# Altium PCB ALCT_MEZ_SPARTAN6T.PcbDoc (part 8 of 12)
Units mil, origin at the board's own origin, x right, y up, seen from the top; angles counter-clockwise.
Board outline 4100 x 5351.19 mil, 12 copper layers (Top Layer, Mid-Layer 1, +3V3, Mid-Layer 2, +1V2, Mid-Layer 4, +1V8, Mid-Layer 5, GND1, Mid-Layer 7, GND2, Bottom Layer), stack 64.7 mil thick; 320 components, 598 nets, 2316 pads, 1572 vias.
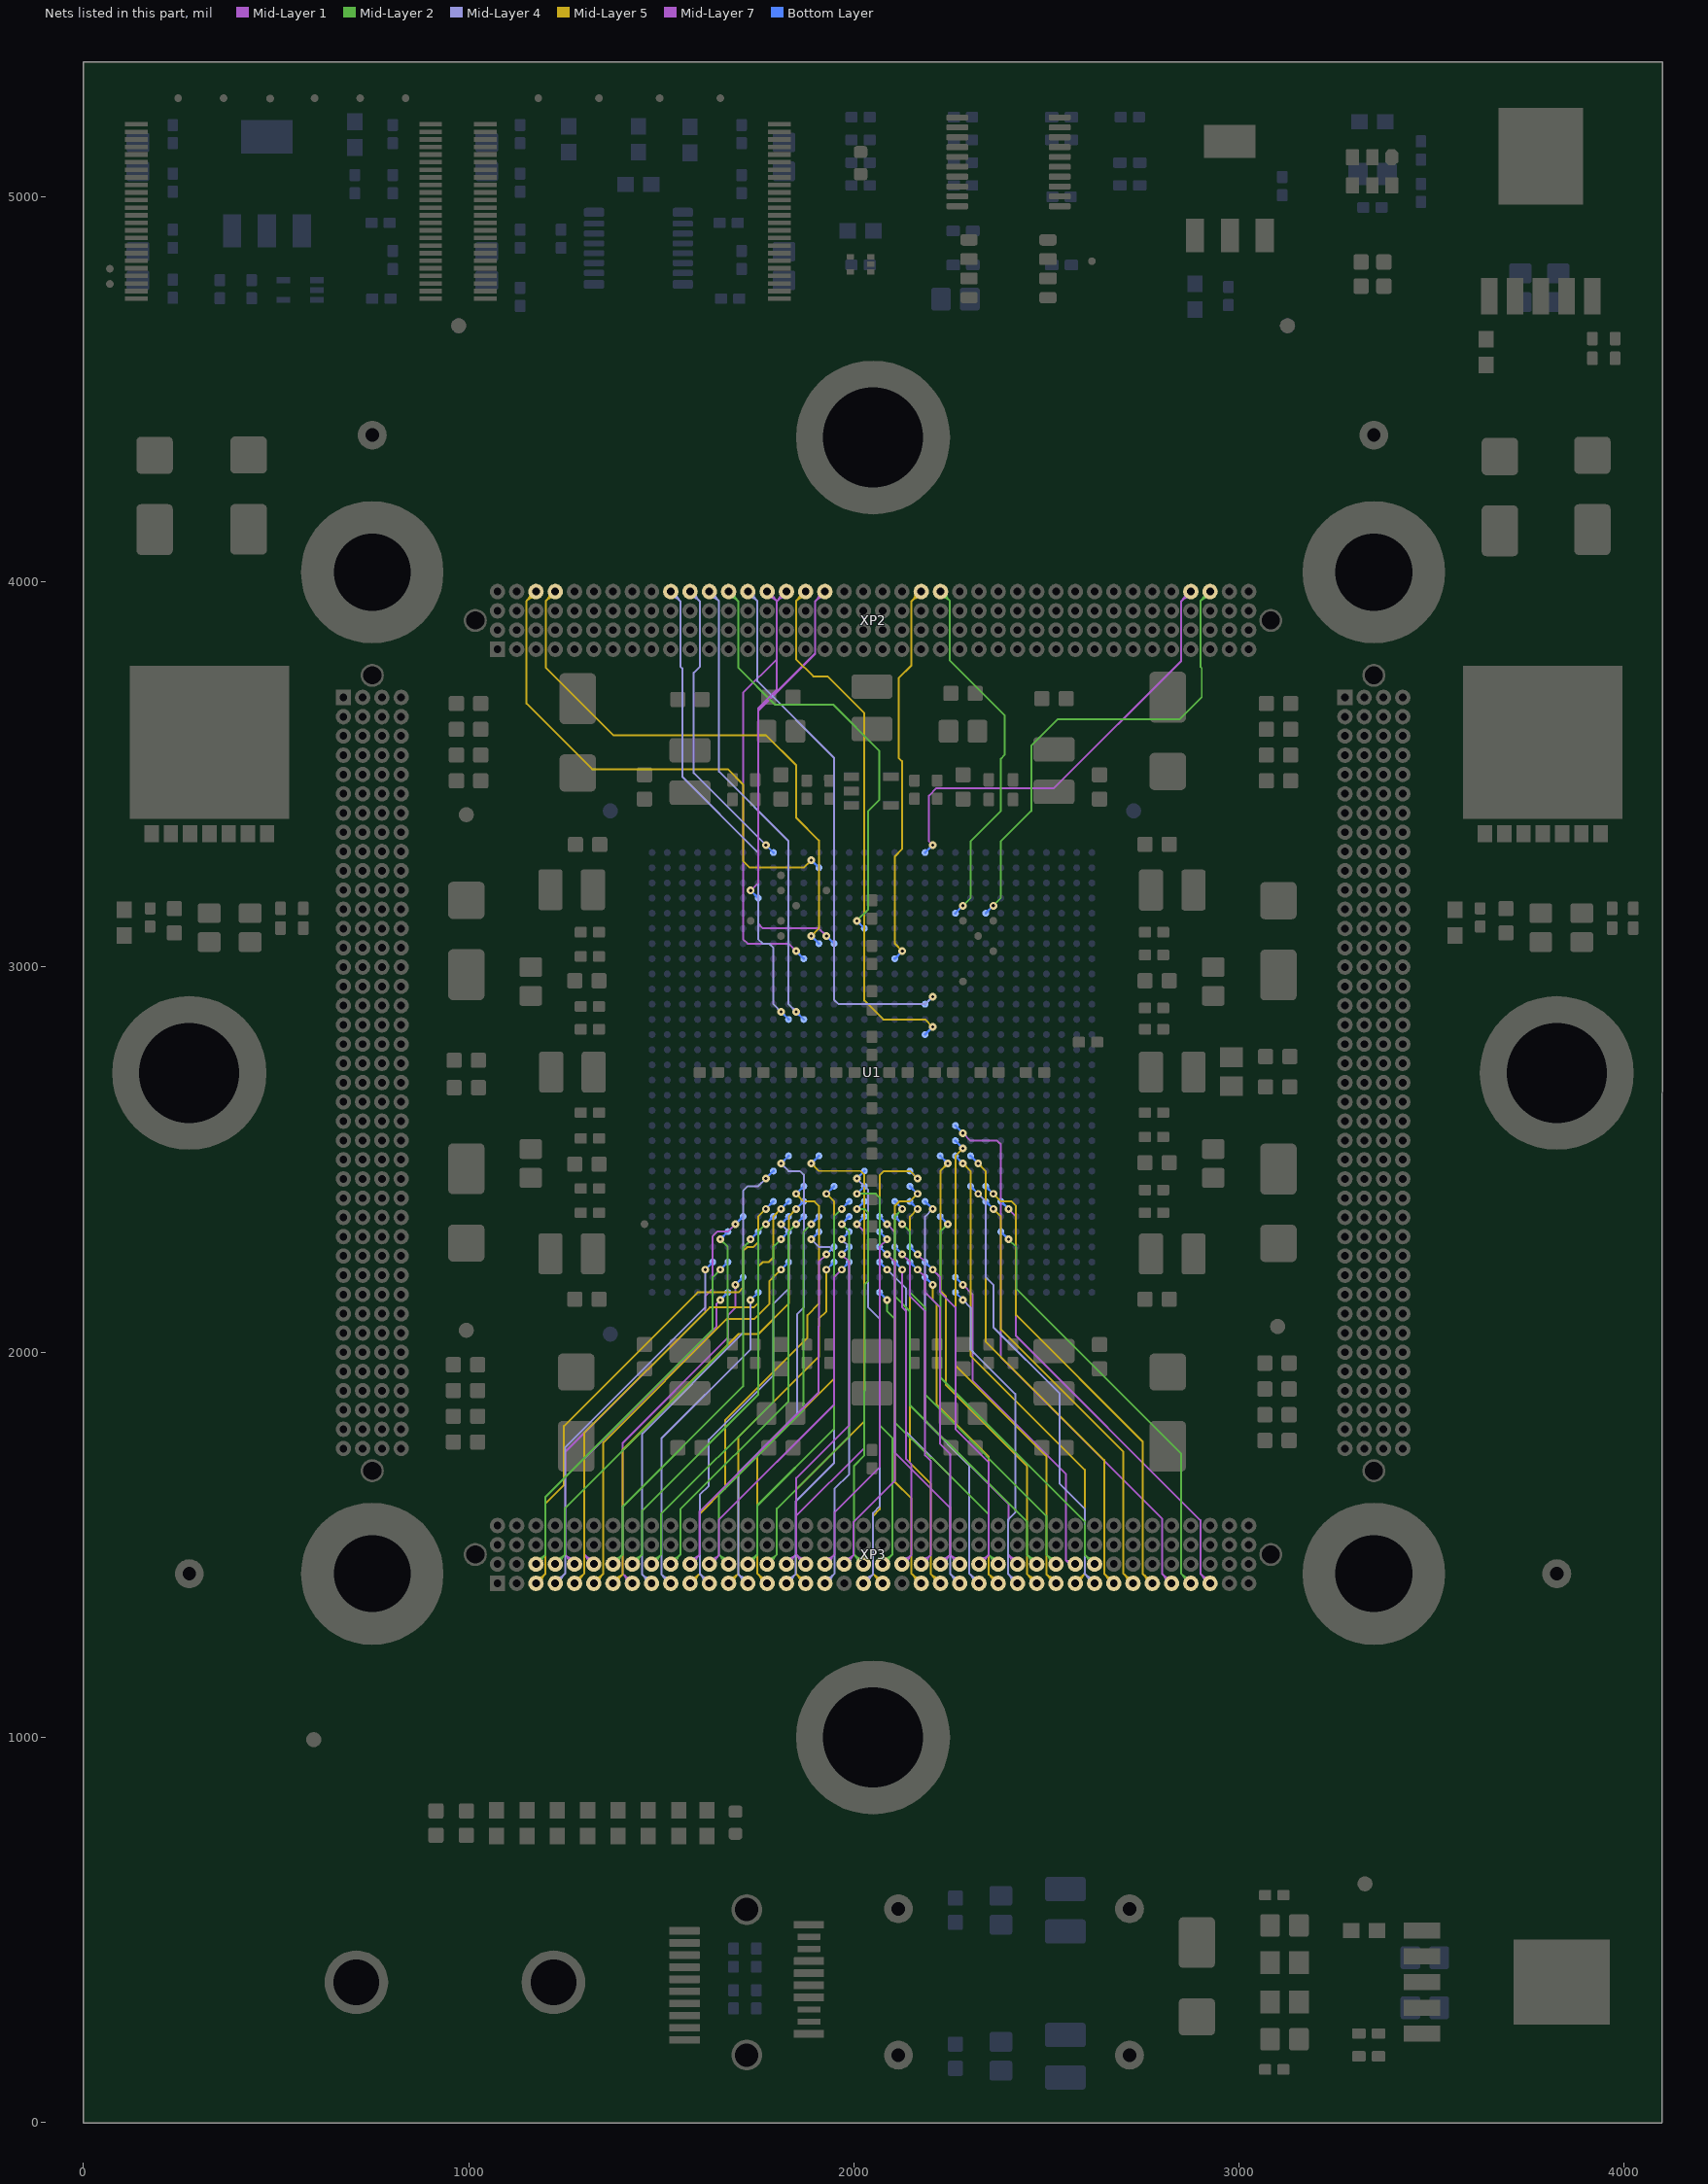
[diagram p18: the nets of this part, all layers, seen from the top]

## Via types
v1: diameter 20, hole 8, Top Layer to Bottom Layer, tented both sides, 1562 vias
v2: diameter 40, hole 20, Top Layer to Bottom Layer, 6 vias
v3: diameter 40, hole 20, Top Layer to Bottom Layer, tented both sides, 4 vias

## Nets (pads, with @x,y where several pads share a name; then routed paths per layer and width w, separated by ;. In a path a pad name is that pad's centre, name@x,y a point inside that pad or via, vN(x,y) a via of type N, cw(c..) or ccw(c..) an arc to the next point about the centre after c; other vN are vias at no path point) (continued)
XP2D_3: U1.W29 XP2.D3 | length 1536.4
  Mid-Layer 5 w5: XP2.D3@1175,3975 1150.5,3950.5 1150.5,3684.13 1320.85,3513.78 1673.23,3513.78 1712.6,3474.41 1712.6,3275.1 1729.66,3258.04 1870.24,3258.04 v1(1889.76,3277.56) v1(1889.76,3277.56) ; 1151.95,3951.95 ccw(c1128.91,3975) 1161.5,3975 cw(c1128.91,3975) 1151.96,3951.96 ; 1151.95,3951.95 cw(c1175,3928.91) 1175,3961.5 ccw(c1175,3928.91) 1151.96,3951.96 ; 1160.49,3960.49 ccw(c1145.98,3975) 1166.5,3975 cw(c1145.98,3975) 1160.49,3960.49 ; 1160.49,3960.49 cw(c1175,3945.98) 1175,3966.5 ccw(c1175,3945.98) 1160.49,3960.49
  Bottom Layer w6: v1(1889.76,3277.56) U1.W29@1909.45,3257.87
XP2D_4: U1.W24 XP2.D4 | length 1633.3
  Mid-Layer 5 w5: XP2.D4@1225,3975 1200,3950 1200,3777.85 1375.49,3602.36 1771.67,3602.36 1850.39,3523.64 1850.39,3387.78 1909.29,3328.88 1909.29,3100.21 v1(1889.78,3080.7) ; 1201.95,3951.95 ccw(c1178.91,3975) 1211.5,3975 cw(c1178.91,3975) 1201.96,3951.96 ; 1201.95,3951.95 cw(c1225,3928.91) 1225,3961.5 ccw(c1225,3928.91) 1201.96,3951.96 ; 1210.49,3960.49 ccw(c1195.98,3975) 1216.5,3975 cw(c1195.98,3975) 1210.49,3960.49 ; 1210.49,3960.49 cw(c1225,3945.98) 1225,3966.5 ccw(c1225,3945.98) 1210.49,3960.49
  Bottom Layer w6: v1(1889.78,3080.7) U1.W24@1909.45,3061.02
XP2D_10: U1.AA19 XP2.D10 | length 1413.6
  Mid-Layer 4 w5: XP2.D10@1525,3975 1550,3950 1550,3780.12 1555.12,3775 1555.12,3494.09 1751.8,3297.41 1751.8,3072.98 1763.95,3060.83 1779.74,3060.83 1791.34,3049.23 1791.34,2903.53 v1(1811.03,2883.84) ; 1539.51,3960.49 ccw(c1525,3945.98) 1525,3966.5 cw(c1525,3945.98) 1539.51,3960.49 ; 1539.51,3960.49 cw(c1554.02,3975) 1533.5,3975 ccw(c1554.02,3975) 1539.51,3960.49 ; 1548.05,3951.95 ccw(c1525,3928.91) 1525,3961.5 cw(c1525,3928.91) 1548.04,3951.96 ; 1548.05,3951.95 cw(c1571.09,3975) 1538.5,3975 ccw(c1571.09,3975) 1548.04,3951.96
  Bottom Layer w6: v1(1811.03,2883.84) U1.AA19@1830.71,2864.17
XP2D_11: U1.AB30 XP2.D11 | length 947
  Mid-Layer 4 w5: XP2.D11@1575,3975 1600,3950 1600,3779.53 1584.65,3764.17 1584.65,3503.94 v1(1771.65,3316.93) ; 1589.51,3960.49 ccw(c1575,3945.98) 1575,3966.5 cw(c1575,3945.98) 1589.51,3960.49 ; 1589.51,3960.49 cw(c1604.02,3975) 1583.5,3975 ccw(c1604.02,3975) 1589.51,3960.49 ; 1598.05,3951.95 ccw(c1575,3928.91) 1575,3961.5 cw(c1575,3928.91) 1598.04,3951.96 ; 1598.05,3951.95 cw(c1621.09,3975) 1588.5,3975 ccw(c1621.09,3975) 1598.04,3951.96
  Bottom Layer w5: v1(1771.65,3316.93) U1.AB30@1791.34,3297.24
XP2D_12: U1.Y19 XP2.D12 | length 1379.2
  Mid-Layer 4 w5: XP2.D12@1625,3975 1650,3950 1650,3507.48 1830.71,3326.77 1830.71,2903.53 v1(1850.4,2883.84) ; 1639.51,3960.49 ccw(c1625,3945.98) 1625,3966.5 cw(c1625,3945.98) 1639.51,3960.49 ; 1639.51,3960.49 cw(c1654.02,3975) 1633.5,3975 ccw(c1654.02,3975) 1639.51,3960.49 ; 1648.05,3951.95 ccw(c1625,3928.91) 1625,3961.5 cw(c1625,3928.91) 1648.04,3951.96 ; 1648.05,3951.95 cw(c1671.09,3975) 1638.5,3975 ccw(c1671.09,3975) 1648.04,3951.96
  Bottom Layer w5: v1(1850.4,2883.84) U1.Y19@1870.08,2864.17
XP2D_13: U1.T25 XP2.D13 | length 1324.5
  Mid-Layer 2 w5: XP2.D13@1675,3975 1700,3950 1700,3777.36 1796.07,3681.29 1946.68,3681.29 2066.74,3561.23 2066.74,3434.85 2037.4,3405.51 2037.4,3149.59 v1(2007.88,3120.06) ; 1689.51,3960.49 ccw(c1675,3945.98) 1675,3966.5 cw(c1675,3945.98) 1689.51,3960.49 ; 1689.51,3960.49 cw(c1704.02,3975) 1683.5,3975 ccw(c1704.02,3975) 1689.51,3960.49 ; 1698.05,3951.95 ccw(c1675,3928.91) 1675,3961.5 cw(c1675,3928.91) 1698.04,3951.96 ; 1698.05,3951.95 cw(c1721.09,3975) 1688.5,3975 ccw(c1721.09,3975) 1698.04,3951.96
  Bottom Layer w6: v1(2007.88,3120.06) U1.T25@2027.56,3100.39
XP2D_14: U1.M20 XP2.D14 | length 1615.9
  Mid-Layer 4 w5: XP2.D14@1725,3975 1750,3950 1750,3742.13 1948.82,3543.31 1948.82,2915.31 1960.44,2903.69 2185.22,2903.69 v1(2204.72,2923.19) ; 1739.51,3960.49 ccw(c1725,3945.98) 1725,3966.5 cw(c1725,3945.98) 1739.51,3960.49 ; 1739.51,3960.49 cw(c1754.02,3975) 1733.5,3975 ccw(c1754.02,3975) 1739.51,3960.49 ; 1748.05,3951.95 ccw(c1725,3928.91) 1725,3961.5 cw(c1725,3928.91) 1748.04,3951.96 ; 1748.05,3951.95 cw(c1771.09,3975) 1738.5,3975 ccw(c1771.09,3975) 1748.04,3951.96
  Bottom Layer w6: U1.M20@2185.04,2903.51 v1(2204.72,2923.19)
XP2D_15: U1.AC27 XP2.D15 | length 1020.9
  Mid-Layer 1 w5: v1(1732.29,3198.81) 1752.15,3218.67 1752.15,3672.82 1799.5,3720.16 1799.5,3831.25 ; XP2.D15@1775,3975 1800,3950 1800,3948.82 ; 1800,3831.25 1800,3948.82 ; 1800,3937.01 1800,3948.82 ; 1789.51,3960.49 ccw(c1775,3945.98) 1775,3966.5 cw(c1775,3945.98) 1789.51,3960.49 ; 1789.51,3960.49 cw(c1804.02,3975) 1783.5,3975 ccw(c1804.02,3975) 1789.51,3960.49 ; 1798.05,3951.95 ccw(c1775,3928.91) 1775,3961.5 cw(c1775,3928.91) 1798.04,3951.96 ; 1798.05,3951.95 cw(c1821.09,3975) 1788.5,3975 ccw(c1821.09,3975) 1798.04,3951.96
  Bottom Layer w6: v1(1732.29,3198.81) U1.AC27@1751.98,3179.13
XP2D_16: U1.Y23 XP2.D16 | length 1294.1
  Mid-Layer 7 w5: XP2.D16@1825,3975 1800,3950 1800,3799.21 1712.78,3712 1712.78,3072.63 1724.58,3060.83 1830.89,3060.83 v1(1850.39,3041.33) ; 1801.95,3951.95 ccw(c1778.91,3975) 1811.5,3975 cw(c1778.91,3975) 1801.96,3951.96 ; 1801.95,3951.95 cw(c1825,3928.91) 1825,3961.5 ccw(c1825,3928.91) 1801.96,3951.96 ; 1810.49,3960.49 ccw(c1795.98,3975) 1816.5,3975 cw(c1795.98,3975) 1810.49,3960.49 ; 1810.49,3960.49 cw(c1825,3945.98) 1825,3966.5 ccw(c1825,3945.98) 1810.49,3960.49
  Bottom Layer w6: v1(1850.39,3041.33) U1.Y23@1870.08,3021.65
XP2D_17: U1.M18 XP2.D17 | length 1567.8
  Mid-Layer 5 w5: XP2.D17@1875,3975 1850,3950 1850,3799.61 1894.68,3754.92 1932.1,3754.92 2027.56,3659.47 2027.56,2913.39 2076.77,2864.17 2185.03,2864.17 v1(2204.73,2844.48) ; 1851.95,3951.95 ccw(c1828.91,3975) 1861.5,3975 cw(c1828.91,3975) 1851.96,3951.96 ; 1851.95,3951.95 cw(c1875,3928.91) 1875,3961.5 ccw(c1875,3928.91) 1851.96,3951.96 ; 1860.49,3960.49 ccw(c1845.98,3975) 1866.5,3975 cw(c1845.98,3975) 1860.49,3960.49 ; 1860.49,3960.49 cw(c1875,3945.98) 1875,3966.5 ccw(c1875,3945.98) 1860.49,3960.49
  Bottom Layer w6: U1.M18@2185.04,2824.8 v1(2204.73,2844.48)
XP2D_18: U1.V24 XP2.D18 | length 1319.4
  Mid-Layer 7 w5: XP2.D18@1925,3975 1899.61,3949.61 1899.61,3813.79 1751.97,3666.15 1751.97,3112.18 1763.58,3100.56 1909.28,3100.56 v1(1929.14,3080.7) ; 1901.95,3951.95 ccw(c1878.91,3975) 1911.5,3975 cw(c1878.91,3975) 1901.96,3951.96 ; 1901.95,3951.95 cw(c1925,3928.91) 1925,3961.5 ccw(c1925,3928.91) 1901.96,3951.96 ; 1910.49,3960.49 ccw(c1895.98,3975) 1916.5,3975 cw(c1895.98,3975) 1910.49,3960.49 ; 1910.49,3960.49 cw(c1925,3945.98) 1925,3966.5 ccw(c1925,3945.98) 1910.49,3960.49
  Bottom Layer w6: v1(1929.14,3080.7) U1.V24@1948.83,3061.01
XP2D_23: U1.P23 XP2.D23 | length 1172.3
  Mid-Layer 5 w5: v1(2125.99,3041.33) 2106.49,3060.84 2106.49,3257.87 2106.48,3287.4 2125.11,3306.03 2125.11,3534.33 2116.14,3543.31 2116.14,3750 2149.5,3783.36 2149.5,3949.5 XP2.D23@2175,3975 ; 2151.95,3951.95 ccw(c2128.91,3975) 2161.5,3975 cw(c2128.91,3975) 2151.96,3951.96 ; 2151.95,3951.95 cw(c2175,3928.91) 2175,3961.5 ccw(c2175,3928.91) 2151.96,3951.96 ; 2160.49,3960.49 ccw(c2145.98,3975) 2166.5,3975 cw(c2145.98,3975) 2160.49,3960.49 ; 2160.49,3960.49 cw(c2175,3945.98) 2175,3966.5 ccw(c2175,3945.98) 2160.49,3960.49
  Bottom Layer w6: U1.P23@2106.3,3021.65 v1(2125.99,3041.33)
XP2D_24: U1.K26 XP2.D24 | length 1124
  Mid-Layer 2 w5: XP2.D24@2225,3975 2249.5,3950.5 2249.5,3795.76 2391.55,3653.71 2391.55,3551.01 2381.7,3541.17 2381.7,3405.33 2302.99,3326.61 2302.99,3178.95 v1(2283.48,3159.45) ; 2239.51,3960.49 ccw(c2225,3945.98) 2225,3966.5 cw(c2225,3945.98) 2239.51,3960.49 ; 2239.51,3960.49 cw(c2254.02,3975) 2233.5,3975 ccw(c2254.02,3975) 2239.51,3960.49 ; 2248.05,3951.95 ccw(c2225,3928.91) 2225,3961.5 cw(c2225,3928.91) 2248.04,3951.96 ; 2248.05,3951.95 cw(c2271.09,3975) 2238.5,3975 ccw(c2271.09,3975) 2248.04,3951.96
  Bottom Layer w6: U1.K26@2263.78,3139.76 v1(2283.48,3159.45)
XP2D_37: U1.M30 XP2.D37 | length 1317.1
  Mid-Layer 7 w5: v1(2204.72,3316.93) 2195.07,3326.59 2195.07,3445.07 2214.57,3464.57 2519.69,3464.57 2850,3794.88 2850,3950 XP2.D37@2875,3975 ; 2851.95,3951.95 ccw(c2828.91,3975) 2861.5,3975 cw(c2828.91,3975) 2851.96,3951.96 ; 2851.95,3951.95 cw(c2875,3928.91) 2875,3961.5 ccw(c2875,3928.91) 2851.96,3951.96 ; 2860.49,3960.49 ccw(c2845.98,3975) 2866.5,3975 cw(c2845.98,3975) 2860.49,3960.49 ; 2860.49,3960.49 cw(c2875,3945.98) 2875,3966.5 ccw(c2875,3945.98) 2860.49,3960.49
  Bottom Layer w6: U1.M30@2185.04,3297.24 v1(2204.72,3316.93)
XP2D_38: U1.H26 XP2.D38 | length 1431.7
  Mid-Layer 2 w5: v1(2362.2,3159.45) 2382.07,3179.32 2382.07,3326.96 2460.63,3405.51 2460.63,3574.62 2529.53,3643.52 2846.27,3643.52 2903.36,3700.6 2903.36,3776.17 2900,3779.53 2900,3950 XP2.D38@2925,3975 ; 2901.95,3951.95 ccw(c2878.91,3975) 2911.5,3975 cw(c2878.91,3975) 2901.96,3951.96 ; 2901.95,3951.95 cw(c2925,3928.91) 2925,3961.5 ccw(c2925,3928.91) 2901.96,3951.96 ; 2910.49,3960.49 ccw(c2895.98,3975) 2916.5,3975 cw(c2895.98,3975) 2910.49,3960.49 ; 2910.49,3960.49 cw(c2925,3945.98) 2925,3966.5 ccw(c2925,3945.98) 2910.49,3960.49
  Bottom Layer w6: U1.H26@2342.52,3139.76 v1(2362.2,3159.45)
XP3A_3: U1.AB7 XP3.A3 | length 1486.2
  Mid-Layer 5 w5: XP3.A3@1174.41,1399.41 XP3.A3@1175,1398.82 ; XP3.A3@1175,1400 1199.5,1424.5 1199.5,1607.96 1247.54,1656 1247.54,1808.56 1594.49,2155.51 1700.82,2155.51 1712.79,2167.48 1712.79,2262 1724.22,2273.43 1740,2273.43 1751.79,2285.22 1751.79,2352.18 v1(1771.66,2372.04) ; 1189.51,1414.51 ccw(c1204.02,1400) 1183.5,1400 cw(c1204.02,1400) 1189.51,1414.51 ; 1189.51,1414.51 cw(c1175,1429.02) 1175,1408.5 ccw(c1175,1429.02) 1189.51,1414.51 ; XP3.A3@1175,1413.5 ccw(c1175,1446.09) 1198.04,1423.04 ccw(c1221.09,1400) 1188.5,1400 cw(c1221.09,1400) 1198.05,1423.05 cw(c1175,1446.09) XP3.A3@1175,1413.5
  Bottom Layer w6: v1(1771.66,2372.04) U1.AB7@1791.34,2391.73
XP3A_4: U1.AF3 XP3.A4 | length 1170.5
  Mid-Layer 4 w5: XP3.A4@1225,1400 1250.5,1425.5 1250.5,1752.47 1614.18,2116.15 v1(1614.18,2214.56) ; 1239.51,1414.51 ccw(c1254.02,1400) 1233.5,1400 cw(c1254.02,1400) 1239.51,1414.51 ; 1239.51,1414.51 cw(c1225,1429.02) 1225,1408.5 ccw(c1225,1429.02) 1239.51,1414.51 ; XP3.A4@1225,1413.5 ccw(c1225,1446.09) 1248.04,1423.04 ccw(c1271.09,1400) 1238.5,1400 cw(c1271.09,1400) 1248.05,1423.05 cw(c1225,1446.09) XP3.A4@1225,1413.5
  Bottom Layer w6: v1(1614.18,2214.56) U1.AF3@1633.86,2234.25
XP3A_5: U1.AA7 XP3.A5 | length 1465.8
  Mid-Layer 5 w5: XP3.A5@1275,1398.82 XP3.A5@1275.59,1399.41 ; XP3.A5@1275,1400 1300,1425 1300,1790.18 1625.97,2116.14 1740.18,2116.14 1751.8,2127.76 1751.8,2222.27 1763.58,2234.06 1779.37,2234.06 1791.16,2245.85 1791.16,2352.18 v1(1811.03,2372.04) ; 1289.51,1414.51 ccw(c1304.02,1400) 1283.5,1400 cw(c1304.02,1400) 1289.51,1414.51 ; 1289.51,1414.51 cw(c1275,1429.02) 1275,1408.5 ccw(c1275,1429.02) 1289.51,1414.51 ; XP3.A5@1275,1413.5 ccw(c1275,1446.09) 1298.04,1423.04 ccw(c1321.09,1400) 1288.5,1400 cw(c1321.09,1400) 1298.05,1423.05 cw(c1275,1446.09) XP3.A5@1275,1413.5
  Bottom Layer w6: v1(1811.03,2372.04) U1.AA7@1830.71,2391.73
XP3A_6: U1.AA3 XP3.A6 | length 1253.2
  Mid-Layer 5 w5: XP3.A6@1325,1398.82 XP3.A6@1325.59,1399.41 ; XP3.A6@1325,1400 1350,1425 1350,1765.85 1670.77,2086.61 1742.13,2086.61 1781.5,2125.98 1781.5,2185.03 v1(1811.03,2214.56) ; 1339.51,1414.51 ccw(c1354.02,1400) 1333.5,1400 cw(c1354.02,1400) 1339.51,1414.51 ; 1339.51,1414.51 cw(c1325,1429.02) 1325,1408.5 ccw(c1325,1429.02) 1339.51,1414.51 ; XP3.A6@1325,1413.5 ccw(c1325,1446.09) 1348.04,1423.04 ccw(c1371.09,1400) 1338.5,1400 cw(c1371.09,1400) 1348.05,1423.05 cw(c1325,1446.09) XP3.A6@1325,1413.5
  Bottom Layer w6: v1(1811.03,2214.56) U1.AA3@1830.71,2234.25
XP3A_7: U1.Y7 XP3.A7 | length 1396
  Mid-Layer 5 w5: XP3.A7@1375,1398.82 XP3.A7@1376.18,1400 ; XP3.A7@1375,1400 XP3.A7@1376.18,1400 ; v1(1850.39,2372.04) 1830.89,2352.54 1830.89,2126.17 1751.97,2047.24 1700.3,2047.24 1400,1746.95 1400,1423.82 ; XP3.A7@1376.18,1400 1400,1423.82 ; 1400,1423.82 cw(c1375.07,1448.75) 1375.02,1413.5 ccw(c1375.09,1448.73) 1400,1423.82 ; XP3.A7@1375.01,1408.5 ccw(c1375.04,1431.74) 1391.48,1415.3 cw(c1375.06,1431.74) XP3.A7@1375.02,1408.5 ; XP3.A7@1383.5,1400 cw(c1401.19,1400) 1388.68,1412.5 ccw(c1401.17,1400) XP3.A7@1383.5,1400 ; XP3.A7@1388.5,1400 cw(c1418.26,1400) 1397.22,1421.04 ccw(c1418.24,1400) XP3.A7@1388.5,1400
  Bottom Layer w6: v1(1850.39,2372.04) U1.Y7@1870.08,2391.73
XP3A_8: U1.AD2 XP3.A8 | length 1101.2
  Mid-Layer 7 w5: XP3.A8@1425,1400 1400.5,1424.5 1400.5,1764.67 1673.23,2037.4 1673.23,2096.46 1692.91,2116.14 v1(1692.91,2175.18) ; 1410.49,1414.51 ccw(c1425,1429.02) 1425,1408.5 cw(c1425,1429.02) 1410.49,1414.51 ; 1410.49,1414.51 cw(c1395.98,1400) 1416.5,1400 ccw(c1395.98,1400) 1410.49,1414.51 ; 1401.96,1423.04 ccw(c1425,1446.09) 1425,1413.5 cw(c1425,1446.09) 1401.95,1423.05 cw(c1378.91,1400) 1411.5,1400 ccw(c1378.91,1400) 1401.96,1423.04
  Bottom Layer w6: v1(1692.91,2175.18) U1.AD2@1712.6,2194.88
XP3A_9: U1.AB9 XP3.A9 | length 1402.9
  Mid-Layer 4 w5: 1461.33,1412.49 cw(c1448.84,1400) 1466.5,1400 ccw(c1448.82,1400) 1461.32,1412.5 ; XP3.A9@1474.78,1413.49 cw(c1474.23,1447.04) 1450.5,1423.32 ; XP3.A9@1474.77,1413.5 cw(c1474.21,1447.02) 1450.5,1423.32 ; XP3.A9@1474.86,1408.49 cw(c1474.5,1430.63) 1458.84,1414.98 ccw(c1474.48,1430.63) XP3.A9@1474.86,1408.5 ; XP3.A9@1475,1398.82 1450.5,1423.32 ; v1(1771.66,2450.78) 1751.98,2431.1 1724.41,2431.1 1712.6,2419.29 1712.6,2050.21 1450.5,1788.12 1450.5,1423.32 ; 1452.79,1421.03 cw(c1431.75,1400) 1461.5,1400 ccw(c1431.77,1400) 1452.79,1421.03
  Bottom Layer w6: v1(1771.66,2450.78) U1.AB9@1791.34,2470.47
XP3A_10: U1.AC1 XP3.A10 | length 1034.8
  Mid-Layer 4 w5: 1511.33,1412.49 cw(c1498.84,1400) 1516.5,1400 ccw(c1498.82,1400) 1511.32,1412.5 ; XP3.A10@1524.78,1413.49 cw(c1524.23,1447.04) 1500.5,1423.32 ; XP3.A10@1524.77,1413.5 cw(c1524.21,1447.02) 1500.5,1423.32 ; XP3.A10@1524.86,1408.49 cw(c1524.5,1430.63) 1508.84,1414.98 ccw(c1524.48,1430.63) XP3.A10@1524.86,1408.5 ; XP3.A10@1525,1398.82 1500.5,1423.32 ; v1(1732.19,2135.73) 1732.19,2007.78 1500.5,1776.09 1500.5,1423.32 ; 1502.79,1421.03 cw(c1481.75,1400) 1511.5,1400 ccw(c1481.77,1400) 1502.79,1421.03
  Bottom Layer w5: v1(1732.19,2135.73) U1.AC1@1751.97,2155.51
XP3A_11: U1.Y8 XP3.A11 | length 1386
  Mid-Layer 5 w5: XP3.A11@1575,1400 1601,1426 1600,1427 1600,1580.32 1665.85,1646.16 1665.85,1823.33 1879.92,2037.4 1879.92,2096.46 1909.28,2125.82 1909.28,2380.12 1897.86,2391.55 1870.25,2391.55 v1(1850.39,2411.41) ; 1589.51,1414.51 ccw(c1604.02,1400) 1583.5,1400 cw(c1604.02,1400) 1589.51,1414.51 ; 1589.51,1414.51 cw(c1575,1429.02) 1575,1408.5 ccw(c1575,1429.02) 1589.51,1414.51 ; XP3.A11@1575,1413.5 ccw(c1575,1446.09) 1598.04,1423.04 ccw(c1621.09,1400) 1588.5,1400 cw(c1621.09,1400) 1598.05,1423.05 cw(c1575,1446.09) XP3.A11@1575,1413.5
  Bottom Layer w6: v1(1850.39,2411.41) U1.Y8@1870.08,2431.1
XP3A_12: U1.AA6 XP3.A12 | length 1258.9
  Mid-Layer 4 w5: 1612.5,1411.32 XP3.A12@1625,1398.82 ; XP3.A12@1625,1400 1600.5,1424.5 1600.5,1630.03 1623.83,1653.36 1623.83,1773.42 1791.34,1940.93 1791.34,2125.8 1830.89,2165.35 1830.89,2312.81 v1(1811.03,2332.68) ; 1610.49,1414.51 ccw(c1625,1429.02) 1625,1408.5 cw(c1625,1429.02) 1610.49,1414.51 ; 1610.49,1414.51 cw(c1595.98,1400) 1616.5,1400 ccw(c1595.98,1400) 1610.49,1414.51 ; 1601.96,1423.04 ccw(c1625,1446.09) 1625,1413.5 cw(c1625,1446.09) 1601.95,1423.05 cw(c1578.91,1400) 1611.5,1400 ccw(c1578.91,1400) 1601.96,1423.04
  Bottom Layer w6: v1(1811.03,2332.68) U1.AA6@1830.71,2352.36
XP3A_13: U1.V3 XP3.A13 | length 1114.5
  Mid-Layer 5 w5: XP3.A13@1675,1400 1700,1425 1700,1778.74 1909.45,1988.19 1909.45,2086.61 1929.14,2106.31 v1(1929.14,2214.56) ; 1689.51,1414.51 ccw(c1704.02,1400) 1683.5,1400 cw(c1704.02,1400) 1689.51,1414.51 ; 1689.51,1414.51 cw(c1675,1429.02) 1675,1408.5 ccw(c1675,1429.02) 1689.51,1414.51 ; XP3.A13@1675,1413.5 ccw(c1675,1446.09) 1698.04,1423.04 ccw(c1721.09,1400) 1688.5,1400 cw(c1721.09,1400) 1698.05,1423.05 cw(c1675,1446.09) XP3.A13@1675,1413.5
  Bottom Layer w6: v1(1929.14,2214.56) U1.V3@1948.82,2234.25
XP3A_14: U1.AA10 XP3.A14 | length 1408.2
  Mid-Layer 4 w5: 1711.33,1412.49 cw(c1698.84,1400) 1716.5,1400 ccw(c1698.82,1400) 1711.32,1412.5 ; XP3.A14@1725,1398.82 1700,1423.82 ; v1(1811.03,2490.14) 1830.7,2470.47 1860.24,2470.47 1870.08,2460.63 1870.08,2116.14 1853.36,2099.43 1853.36,1840.55 1700,1687.19 1700,1423.82 ; 1700,1423.82 ccw(c1724.92,1448.74) 1724.98,1413.5 cw(c1724.9,1448.72) 1700,1423.82 ; 1702.79,1421.03 cw(c1681.75,1400) 1711.5,1400 ccw(c1681.77,1400) 1702.79,1421.03 ; 1708.52,1415.3 ccw(c1724.95,1431.73) 1724.99,1408.5 cw(c1724.94,1431.73) 1708.51,1415.31
  Bottom Layer w6: v1(1811.03,2490.14) U1.AA10@1830.71,2509.84
XP3A_15: U1.V8 XP3.A15 | length 1307.7
  Mid-Layer 5 w5: XP3.A15@1774.41,1399.41 XP3.A15@1775,1398.82 ; XP3.A15@1775,1400 1750,1425 1750,1732.28 1937.19,1919.48 ; v1(1929.14,2411.41) 1948.65,2391.9 1948.65,1988.02 ; 1937.21,1919.48 1948.63,1930.9 1948.63,1988 ; 1760.49,1414.51 ccw(c1775,1429.02) 1775,1408.5 cw(c1775,1429.02) 1760.49,1414.51 ; 1760.49,1414.51 cw(c1745.98,1400) 1766.5,1400 ccw(c1745.98,1400) 1760.49,1414.51 ; 1751.96,1423.04 ccw(c1775,1446.09) 1775,1413.5 cw(c1775,1446.09) 1751.95,1423.05 cw(c1728.91,1400) 1761.5,1400 ccw(c1728.91,1400) 1751.96,1423.04
  Bottom Layer w6: v1(1929.14,2411.41) U1.V8@1948.82,2431.1
XP3A_16: U1.W5 XP3.A16 | length 1179.9
  Mid-Layer 4 w5: XP3.A16@1825,1400 1849.5,1424.5 1849.5,1613.28 1948.82,1712.6 1948.82,2261.83 1937.22,2273.43 1909.64,2273.43 v1(1889.78,2293.29) ; 1839.51,1414.51 ccw(c1854.02,1400) 1833.5,1400 cw(c1854.02,1400) 1839.51,1414.51 ; 1839.51,1414.51 cw(c1825,1429.02) 1825,1408.5 ccw(c1825,1429.02) 1839.51,1414.51 ; XP3.A16@1825,1413.5 ccw(c1825,1446.09) 1848.04,1423.04 ccw(c1871.09,1400) 1838.5,1400 cw(c1871.09,1400) 1848.05,1423.05 cw(c1825,1446.09) XP3.A16@1825,1413.5
  Bottom Layer w6: v1(1889.78,2293.29) U1.W5@1909.45,2312.99
XP3A_17: U1.W10 XP3.A17 | length 1490.1
  Mid-Layer 5 w5: XP3.A17@1874.41,1399.41 XP3.A17@1875,1398.82 ; XP3.A17@1875,1400 1850,1425 1850,1643.31 2027.56,1820.87 2027.56,2460.63 2017.54,2470.64 1909.28,2470.64 v1(1889.78,2490.14) ; 1860.49,1414.51 ccw(c1875,1429.02) 1875,1408.5 cw(c1875,1429.02) 1860.49,1414.51 ; 1860.49,1414.51 cw(c1845.98,1400) 1866.5,1400 ccw(c1845.98,1400) 1860.49,1414.51 ; 1851.96,1423.04 ccw(c1875,1446.09) 1875,1413.5 cw(c1875,1446.09) 1851.95,1423.05 cw(c1828.91,1400) 1861.5,1400 ccw(c1828.91,1400) 1851.96,1423.04
  Bottom Layer w6: v1(1889.78,2490.14) U1.W10@1909.45,2509.84
XP3A_18: U1.U5 XP3.A18 | length 1123.1
  Mid-Layer 4 w5: XP3.A18@1925,1398.82 XP3.A18@1925.59,1399.41 ; XP3.A18@1925,1400 1950,1425 1950,1644.88 1988.19,1683.07 1988.19,2273.61 v1(1968.51,2293.29) ; 1939.51,1414.51 ccw(c1954.02,1400) 1933.5,1400 cw(c1954.02,1400) 1939.51,1414.51 ; 1939.51,1414.51 cw(c1925,1429.02) 1925,1408.5 ccw(c1925,1429.02) 1939.51,1414.51 ; XP3.A18@1925,1413.5 ccw(c1925,1446.09) 1948.04,1423.04 ccw(c1971.09,1400) 1938.5,1400 cw(c1971.09,1400) 1948.05,1423.05 cw(c1925,1446.09) XP3.A18@1925,1413.5
  Bottom Layer w6: v1(1968.51,2293.29) U1.U5@1988.19,2312.99
XP3A_20: U1.T9 XP3.A20 | length 1288.1
  Mid-Layer 4 w5: v1(2007.88,2450.78) 2037.4,2421.25 2037.4,2116.14 2066.93,2086.61 2066.93,1599.57 2050,1582.65 2050,1423.82 ; XP3.A20@2025,1398.82 2050,1423.82 ; 2038.67,1412.49 ccw(c2051.16,1400) 2033.5,1400 cw(c2051.18,1400) 2038.68,1412.5 ; 2050,1423.82 cw(c2025.08,1448.74) 2025.02,1413.5 ccw(c2025.1,1448.72) 2050,1423.82 ; XP3.A20@2025.01,1408.5 ccw(c2025.05,1431.73) 2041.48,1415.3 cw(c2025.06,1431.73) XP3.A20@2025.02,1408.5 ; XP3.A20@2038.5,1400 cw(c2068.25,1400) 2047.21,1421.03 ccw(c2068.23,1400) XP3.A20@2038.5,1400
  Bottom Layer w6: v1(2007.88,2450.78) U1.T9@2027.56,2470.47
XP3A_21: U1.N9 XP3.A21 | length 1382.9
  Mid-Layer 5 w5: XP3.A21@2074.41,1399.41 XP3.A21@2075,1398.82 ; XP3.A21@2075,1400 2050,1425 2050,1574.8 2067.11,1591.91 2067.11,2458.84 2078.56,2470.29 2145.85,2470.29 v1(2165.36,2450.78) ; 2060.49,1414.51 ccw(c2075,1429.02) 2075,1408.5 cw(c2075,1429.02) 2060.49,1414.51 ; 2060.49,1414.51 cw(c2045.98,1400) 2066.5,1400 ccw(c2045.98,1400) 2060.49,1414.51 ; 2051.96,1423.04 ccw(c2075,1446.09) 2075,1413.5 cw(c2075,1446.09) 2051.95,1423.05 cw(c2028.91,1400) 2061.5,1400 ccw(c2028.91,1400) 2051.96,1423.04